# KiCad board envsensor.kicad_pcb
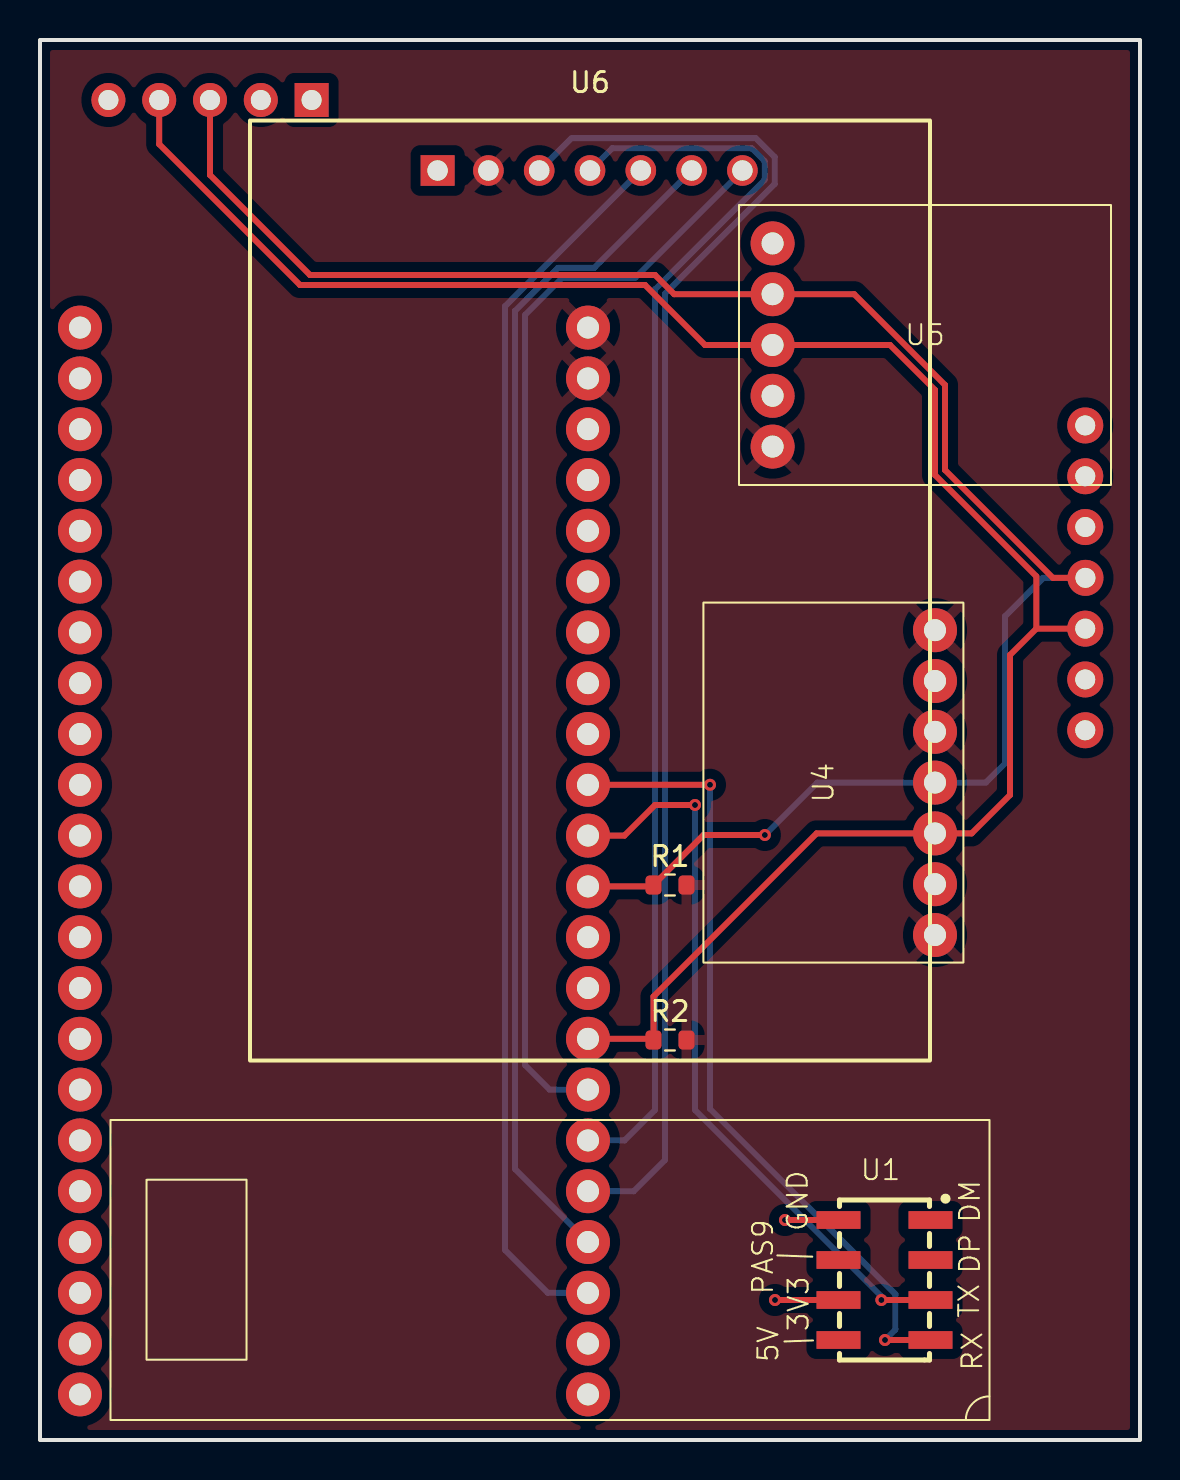
[diagram p0: board, top side]
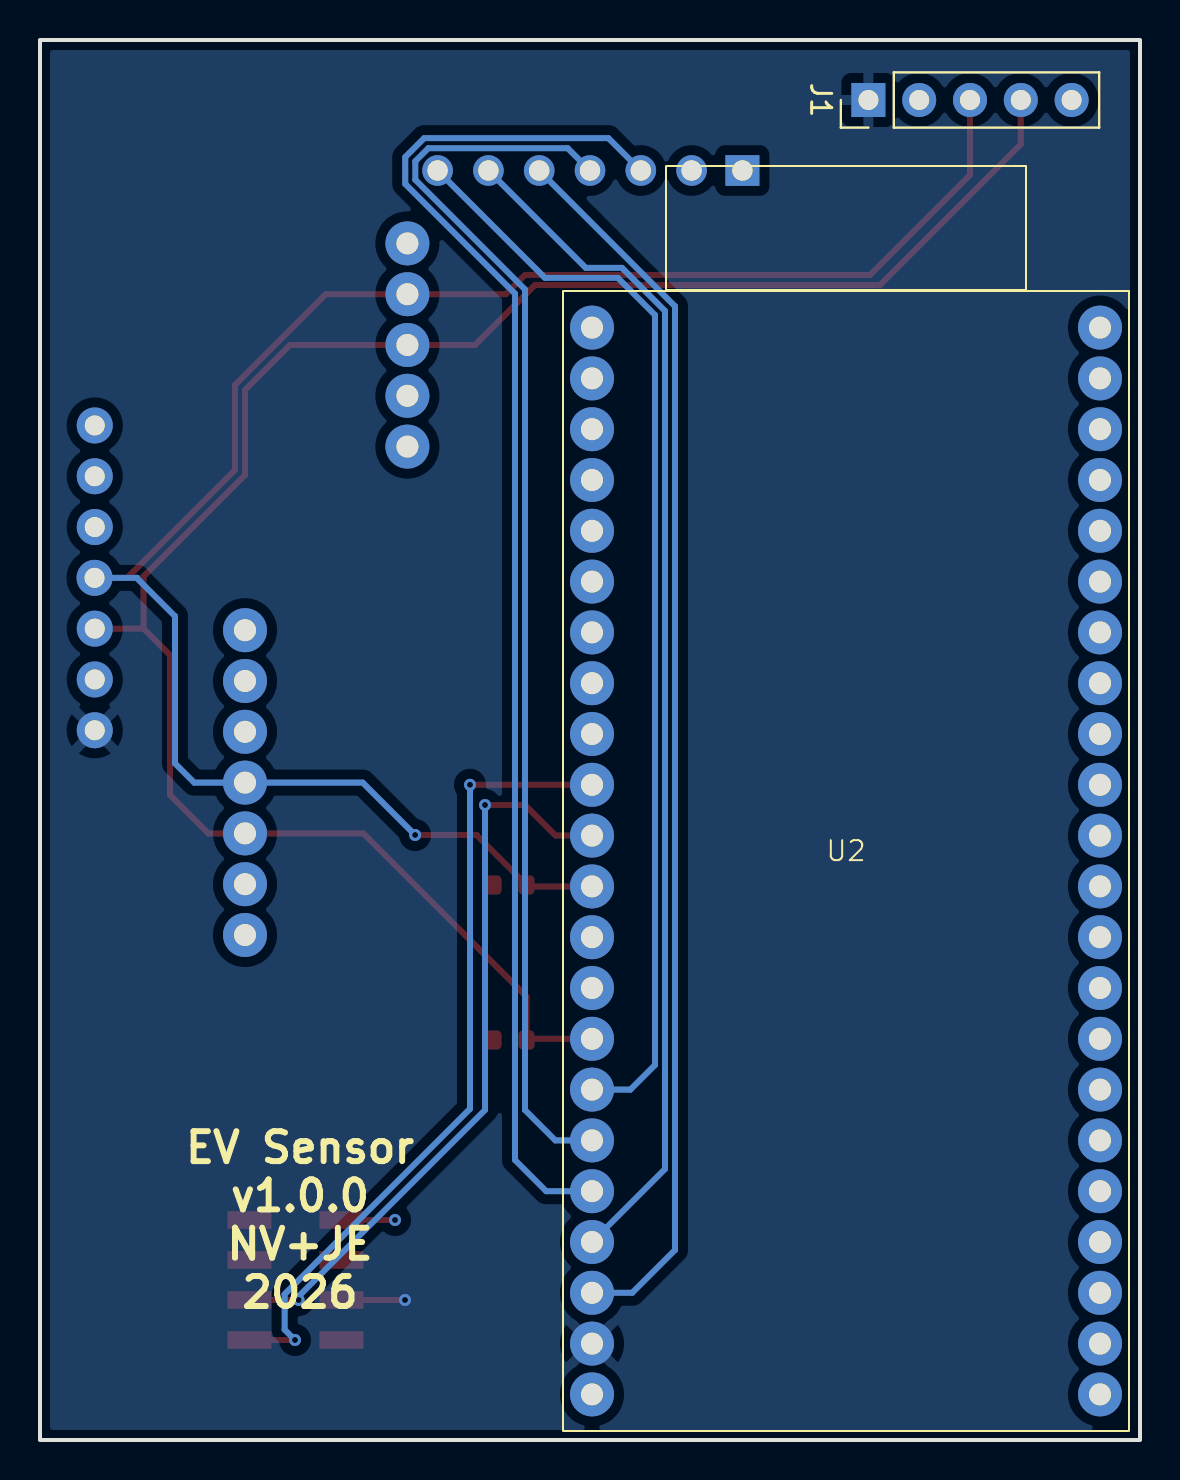
[diagram p1: board, bottom side, seen from below]

Outline 55 x 70 mm; copper layers: Top, In1.Cu, In2.Cu, Bottom. Coordinates in mm from the lower left corner of the outline.
Outline path: rectangle 0,70 55,0
Stack: Top 0.035mm / dielectric 0.1mm FR4 er 4.5 / In1.Cu 0.035mm / dielectric 1.24mm FR4 er 4.5 / In2.Cu 0.035mm / dielectric 0.1mm FR4 er 4.5 / Bottom 0.035mm

## Placement (name value [footprint] x y rotation side)
J1  Conn_01x05  [PinHeader_1x05_P2.54mm_Vertical]  13.58 67 90 bottom
R1  4K7  [R_0603_1608Metric]  31.5 27.75 0 top
R2  4K7  [R_0603_1608Metric]  31.5 20 0 top
U1  ~  [ld2450]  42.28 8 0 top
U2  ~  [esp32-s3-wroom-1-devkit]  14.7 28.95 180 bottom
U3  -  [SCD30]  53.66 34.09 270 bottom
U4  -  [MS5611]  39.67 32.87 90 top
U5  -  [BH1750]  44.25 54.75 0 top
U6  -  [ZJY_M150_128x128_7P]  27.5 42.47 0 top

## Library data of the parts
J1 = -: Description: Generic connector, single row, 01x05, script generated (kicad-library-utils/schlib/autogen/connector/); KiLib_Generator: connector/pin_header_socket; ki_fp_filters: Connector*:*_1x??_*
R1 R2 = -: Description: Resistor, small symbol; KiLib_Generator: SMD_2terminal_chip_molded; ki_fp_filters: R_*
U1 = -: Datasheet: https://www.hlktech.net/index.php?id=1157
U6 = -: Datasheet: ZJY150S0700WG01; Description: 1.5 inch 128x128 monochrome OLED module, SSD1327, SPI/I2C, 7-pin; ki_fp_filters: ZJY*M150*128x128*7P*

## Footprints (pads in the part's own frame, mm; a bottom-side part is the same pattern mirrored in y, then rotated)
BH1750
  round 2.2 hole 1.1: 1(-7.62,5.08) 2(-7.62,2.54) 3(-7.62,0) 4(-7.62,-2.54) 5(-7.62,-5.08)
esp32-s3-wroom-1-devkit
  round 2.2 hole 1.1: 1(-12.7,26.67) 2(-12.7,24.13) 3(-12.7,21.59) 4(-12.7,19.05) 5(-12.7,16.51) 6(-12.7,13.97) 7(-12.7,11.43) 8(-12.7,8.89) 9(-12.7,6.35) 10(-12.7,3.81) 11(-12.7,1.27) 12(-12.7,-1.27) 13(-12.7,-3.81) 14(-12.7,-6.35) 15(-12.7,-8.89) 16(-12.7,-11.43) 17(-12.7,-13.97) 18(-12.7,-16.51) 19(-12.7,-19.05) 20(-12.7,-21.59) 21(-12.7,-24.13) 22(-12.7,-26.67) 23(12.7,26.67) 24(12.7,24.13) 25(12.7,21.59) 26(12.7,19.05) 27(12.7,16.51) 28(12.7,13.97) 29(12.7,11.43) 30(12.7,8.89) 31(12.7,6.35) 32(12.7,3.81) 33(12.7,1.27) 34(12.7,-1.27) 35(12.7,-3.81) 36(12.7,-6.35) 37(12.7,-8.89) 38(12.7,-11.43) 39(12.7,-13.97) 40(12.7,-16.51) 41(12.7,-19.05) 42(12.7,-21.59) 43(12.7,-24.13) 44(12.7,-26.67)
ld2450
  rect 2.2x0.89 smd: 1(2.25,3) 2(2.25,1) 3(2.25,-1) 4(2.25,-3) 5(-2.35,-3) 6(-2.35,-1) 7(-2.35,1) 8(-2.35,3)
MS5611
  round 2.2 hole 1.1: 1(-7.62,-5.08) 2(-5.08,-5.08) 3(-2.54,-5.08) 4(0,-5.08) 5(2.54,-5.08) 6(5.08,-5.08) 7(7.62,-5.08)
PinHeader_1x05_P2.54mm_Vertical
  rect 1.7x1.7 hole 1: 1(0,0)
  round 1.7 hole 1: 2(0,-2.54) 3(0,-5.08) 4(0,-7.62) 5(0,-10.16)
R_0603_1608Metric
  rrect 0.8x0.95 smd: 1(-0.825,0) 2(0.825,0)
SCD30
  round 1.8 hole 1: 1(-1.4,1.4) 2(-3.94,1.4) 3(-6.48,1.4) 4(-9.02,1.39) 5(-11.56,1.4) 6(-14.1,1.4) 7(-16.64,1.4)
ZJY_M150_128x128_7P
  rect 1.7x1.53 hole 1.02: 1(-7.62,21)
  round 1.53 hole 1.02: 2(-5.08,21) 3(-2.54,21) 4(0,21) 5(2.54,21) 6(5.08,21) 7(7.62,21)

## Nets
3V3: R1.2 R2.2 U2.1 U2.2 U4.1 U4.5 U4.7 U5.5 U6.2
+5V: J1.1 U1.6 U2.21 U3.1
GND: J1.2 J1.5 U1.8 U2.22 U2.23 U2.43 U2.44 U3.2 U3.7 U4.2 U5.1 U5.4 U6.1
/ESP10: U2.16 U6.7
/ESP11: U2.17 U6.4
/ESP12: U2.18 U6.3
/ESP13: U2.19 U6.6
/ESP14: U2.20 U6.5
/ESP32RX: U1.3 U2.11
/ESP32TX: U1.4 U2.10
/SCL: J1.4 R2.1 U2.15 U3.3 U4.3 U5.3
/SDA: J1.3 R1.1 U2.12 U3.4 U4.4 U5.2

Pads without a net: U1 1 2 5 7; U2 3 4 5 6 7 8 9 13 14 24 25 26 27 28 29 30 31 32 33 34 35 36 37 38 39 40 41 42; U3 5 6; U4 6

## Via types
v1: diameter 0.6, hole 0.3, Top to Bottom, 7 vias

## Routing (per net, layer and track width the routed paths; a pad name or vN(x,y) marks a point on that pad's centre or on a via; arc(x,y) is an arc through that point)
3V3: length 0.1
  Top w0.3: 44.83,40.57 U4.7
+5V: length 3.2
  Top w0.3: U1.6 v1(36.75,7)
GND: length 2.7
  Top w0.3: U1.8 v1(37.25,11)
/ESP10: length 55
  Bottom w0.3: U2.16 25.48,17.52 24.25,18.75 24.25,56.25 26.11,58.11 29.75,58.11 U6.7
/ESP11: length 63.2
  Bottom w0.3: U6.4 28.61,64.59 35.58,64.59 36.23,63.94 36.23,63.01 30.75,57.53 30.75,16.5 29.23,14.98 U2.17
/ESP12: length 69.8
  Bottom w0.3: U2.18 29.69,12.44 31.25,14 31.25,57.32 36.74,62.81 36.74,64.14 35.79,65.09 26.58,65.09 U6.3
/ESP13: length 59.8
  Bottom w0.3: U2.19 23.75,13.55 23.75,56.46 25.9,58.61 27.71,58.61 U6.6
/ESP14: length 61.8
  Bottom w0.3: U6.5 23.25,56.69 23.25,9.5 25.39,7.36 U2.20
/ESP32RX: length 37.1
  Top w0.3: v1(32.75,31.75) 30.75,31.75 29.22,30.22 U2.11 ; U1.3 v1(42.07,7)
  Bottom w0.3: v1(32.75,31.75) 32.75,16.5 42.07,7.18 v1(42.07,7)
/ESP32TX: length 40.2
  Top w0.3: v1(42.25,5) U1.4 ; U2.10 v1(33.5,32.76)
  Bottom w0.3: v1(42.25,5) 42.77,5.52 42.77,7.29 33.5,16.56 v1(33.5,32.76)
/SCL: length 98.9
  Top w0.3: 49.82,40.57 49.82,43.18 44.75,48.25 44.75,52.5 42.5,54.75 U5.3 33.25,54.75 30.25,57.75 13,57.75 5.96,64.79 J1.4 ; 49.82,40.57 U3.3 ; 49.82,40.57 48.5,39.25 48.5,32.25 46.58,30.33 U4.3 38.83,30.33 30.67,22.17 R2.1 30.61,20.06 U2.15
/SDA: length 94
  Top w0.3: U3.4 50.64,43.11 45.25,48.5 45.25,52.75 40.71,57.29 U5.2 31.71,57.29 30.75,58.25 13.5,58.25 8.5,63.25 J1.3 ; v1(36.24,30.25) 33.17,30.25 R1.1 30.61,27.68 U2.12
  Bottom w0.3: U3.4 50.14,43.11 50.16,43.09 48.25,41.19 48.25,33.83 47.29,32.87 U4.4 38.86,32.87 v1(36.24,30.25)

## Copper pours and planes (outline as drawn; the poured copper is in the pictures)
3V3 on Top: -0.01,70 54.99,70 55.06,0.06 -0.01,0
+5V on Bottom: -0.01,70.01 54.99,70.01 55.07,0.06 -0.01,0.01
GND on In1.Cu, In2.Cu: 0,70 55,70 55.07,0.06 0,0

## Text on the board
B.Silkscreen: EV Sensor / v1.0.0 / NV+JE / 2026
